# Altium PCB LAY-94611_B.PcbDoc (part 2 of 16) (continued)
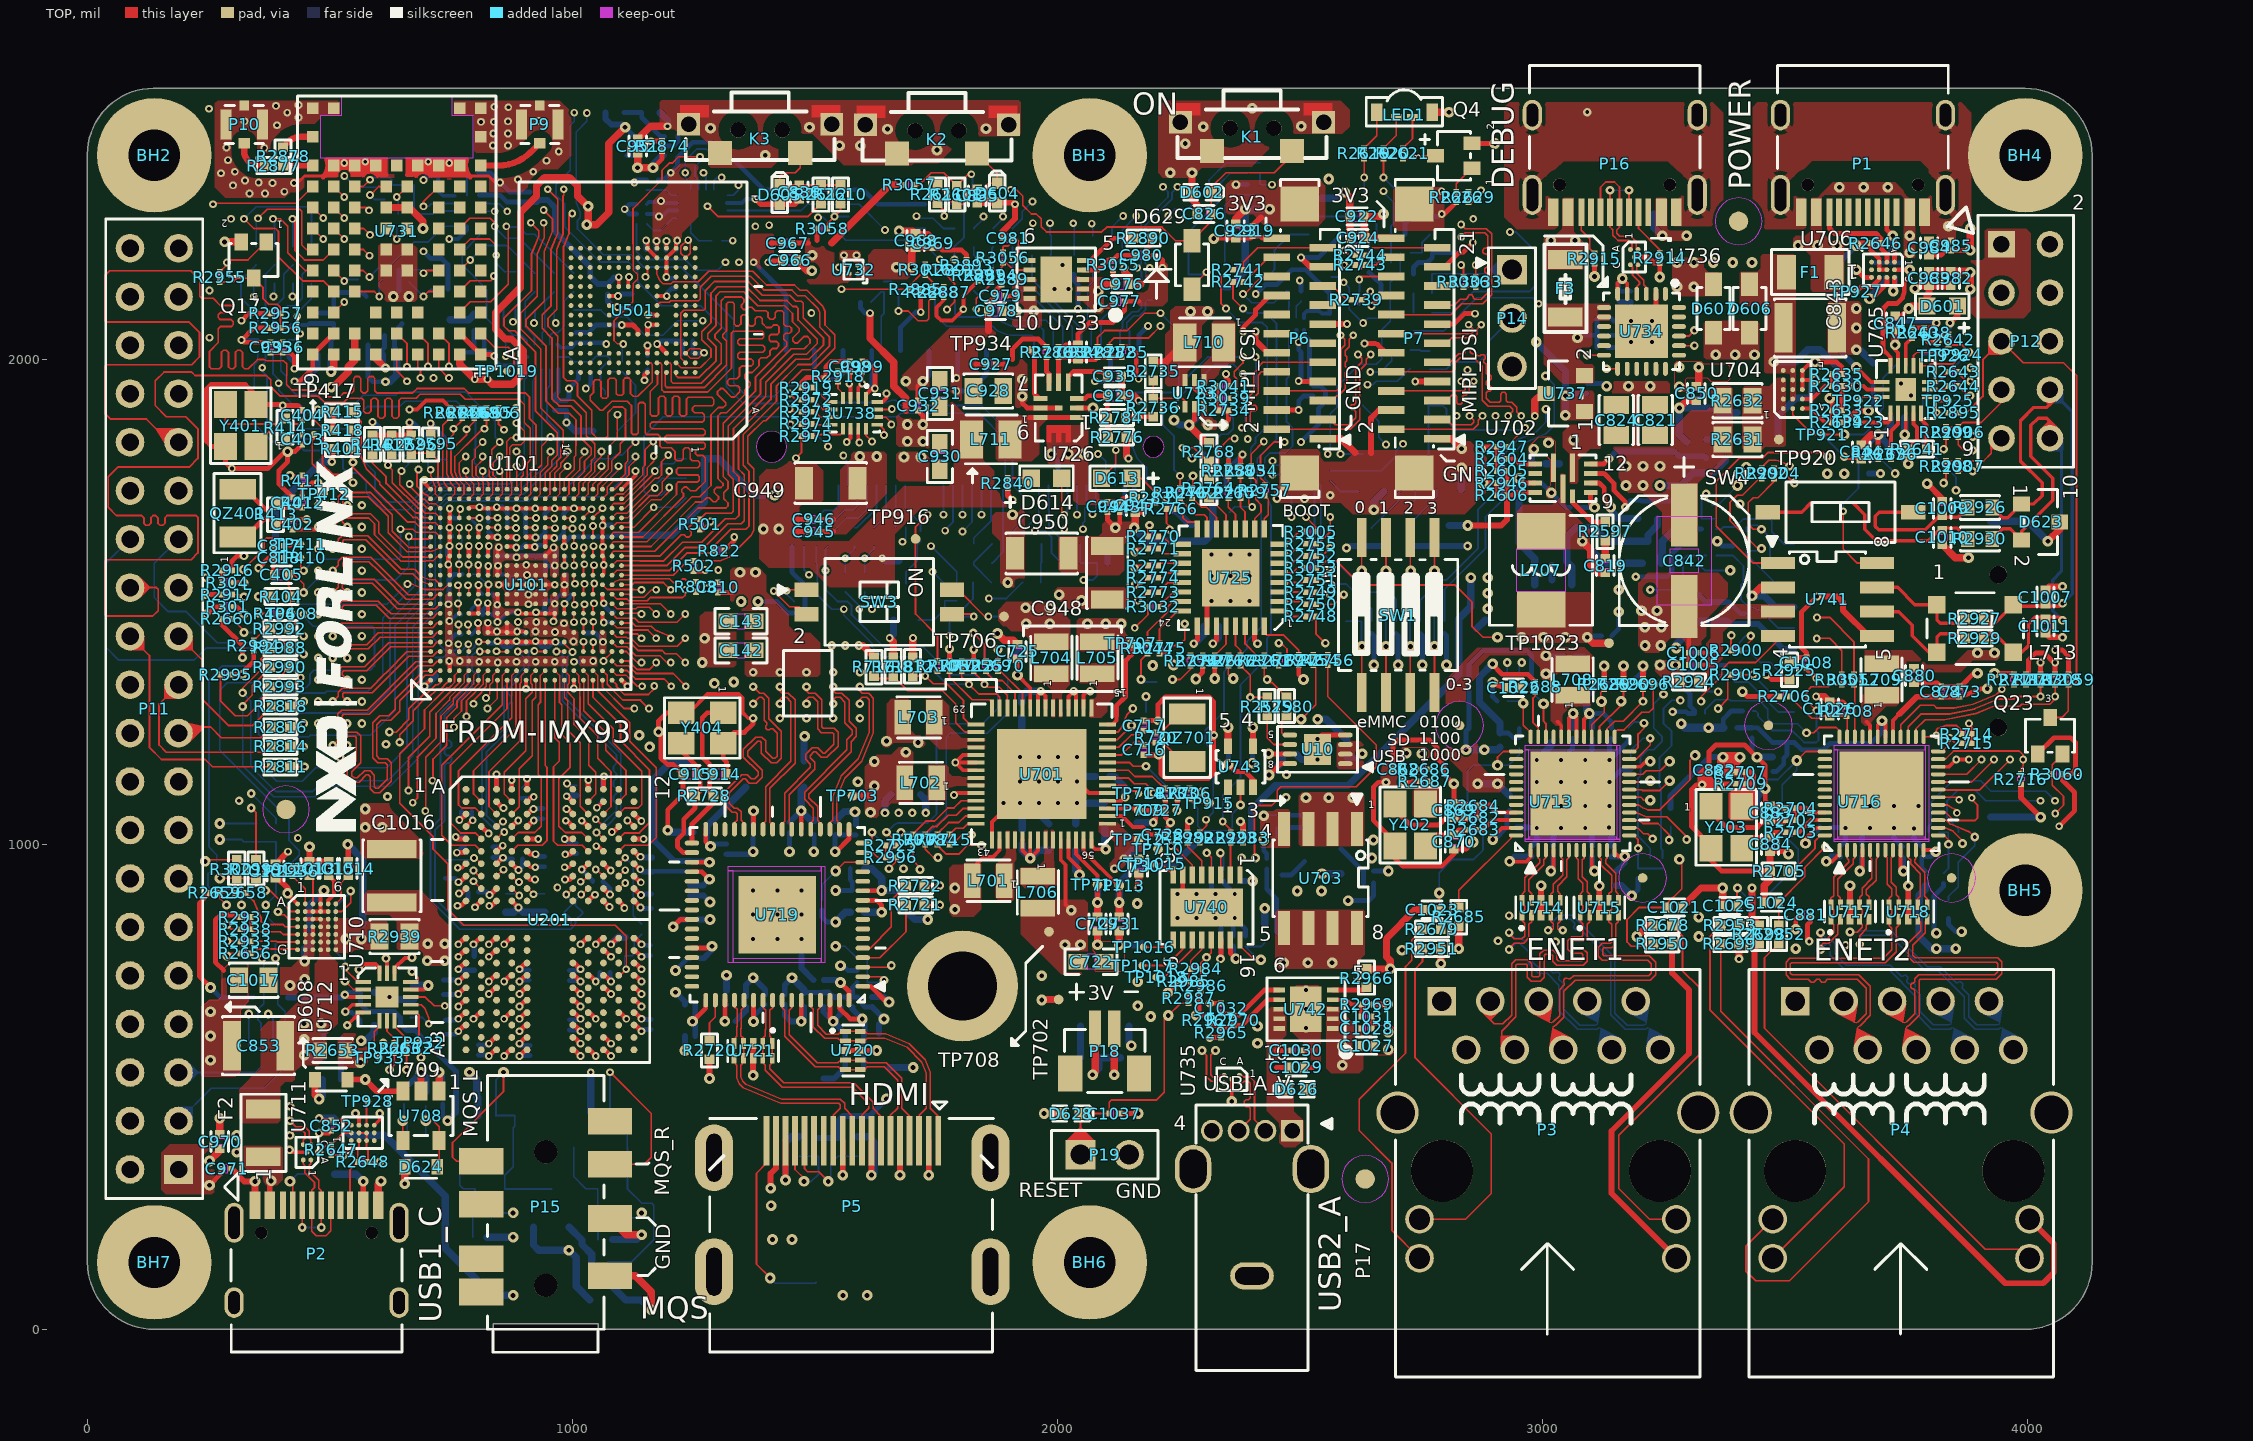
[diagram p0: TOP view]
## Footprints (in the part's own frame and the unit in brackets; to place one, negate y for a bottom-side part, rotate by r counter-clockwise, add the part's x,y. Pads: shape width x height; smd on the part's side, far side on the other; paste and mask are expansions set on the pad) (continued)
  silkscreen extent -244,-294 206,294, body extent -197,-295 197,295, height 39
C0201 [mil] "C0201"
  rect 12x12 smd: 1(-10.51,0) 2(10.51,0)
  TOP keep-out region: -2.64,7.87 -2.64,-7.87 2.64,-7.87 2.64,7.87
  TOP keep-out region: -2.64,7.87 -2.64,-7.87 2.64,-7.87 2.64,7.87
  body extent -12,-6 12,6, height 13
C0402 [mil] "C0402"
  rect 18x20 smd: 1(14.76,0) 2(-14.76,0)
  TOP keep-out region: 5.75,-10 5.75,10 -5.75,10 -5.75,-10
  TOP keep-out region: 5.75,-10 5.75,10 -5.75,10 -5.75,-10
  silkscreen extent -21,-18 21,-18, body extent -20,-10 20,10, height 24
C0603 [mil] "C0603"
  rect 39x32 smd: 1(27,0) 2(-27,0)
  TOP keep-out region: 7,16 7,-16 -7,-16 -7,16
  silkscreen extent -54,-26 54,26, body extent -31,-16 31,16, height 36
C0805 [mil] "C0805"
  rect 37x53 smd: 1(30.71,0) 2(-30.71,0)
  silkscreen extent -50,-36 50,36, body extent -39,-24 39,24, height 28
C1206 [mil] "C1206"
  rect 37x67 smd: 1(-55.12,0) 2(55.12,0)
  silkscreen extent -74,-42 74,42, body extent -63,-30 63,30, height 66
C1210 [mil] "C1210"
  rect 37x102 smd: 1(-55.12,0) 2(55.12,0)
  silkscreen extent -74,-60 74,60, body extent -63,-49 63,49, height 47
CCE6P3X7P7 [mil] "CCE6P3X7P7"
  rect 130x55 smd: 1(-94.49,0) 2(94.49,0)
  TOP keep-out region: -23.62,-29.53 23.62,-29.53 23.62,29.53 -23.62,29.53
  TOP keep-out region: -90.55,57.09 -90.55,-57.09 90.55,-57.09 90.55,57.09
  silkscreen extent -213,-134 134,134, body extent -138,-130 138,130, height 213
CON9_SDCARD_1P1MM [mil] "CON9_SDCARD_1P1MM"
  rect 28x59 smd: 1(-88.58,-283.49) 2(-45.28,-283.49) 3(-1.97,-283.49) 4(41.34,-283.49) 5(84.65,-283.49) 6(127.95,-283.49) 7(171.26,-283.49) 8(214.57,-283.49) 9(257.87,-283.49)
  rect 55x55 smd: 10(314.96,-255.93)
  rect 47x87 smd: 11(305.12,122.03) 12(-305.12,122.03)
  rect 63x55 smd: 13(-269.68,-255.93)
  round 36 hole 36 unplated: ""(-120.08,137.79) ""(194.88,137.79)
  TOP keep-out region: -119,-227.29 -119,50.64 271.65,50.64 271.65,-228.37 -120.08,-228.37
  TOP keep-out region: -166.5,5.64 -166.5,-194.36 -259,-194.36 -259,5.64
  TOP keep-out region: -250,137.1 -250,388.64 -198.5,388.64 -198.5,34.64 -223.92,34.64 -226.38,37.1 -226.38,113.48 -231.38,118.48
  silkscreen extent -292,-276 290,563, body extent -315,-304 319,368, height 77
CON_75_0P5_22X9_RA1 [mil] "CON_75_0P5_22X9_RA1"
  rect 12x80 smd: 1(-364.17,136.21) 2(-354.33,-142.13) 3(-344.49,136.21) 4(-334.65,-142.13) 5(-324.8,136.21) 6(-314.96,-142.13) 7(-305.12,136.21) 8(-295.28,-142.13) 9(-285.43,136.21) 10(-275.59,-142.13) 11(-265.75,136.21) 12(-255.91,-142.13) 13(-246.06,136.21) 14(-236.22,-142.13) 15(-226.38,136.21) 16(-216.54,-142.13) 17(-206.69,136.21) 18(-196.85,-142.13) 19(-187.01,136.21) 20(-177.17,-142.13) 21(-167.32,136.21) 22(-157.48,-142.13) 23(-147.64,136.21) 32(-59.06,-142.13) 33(-49.21,136.21) 34(-39.37,-142.13) 35(-29.53,136.21) 36(-19.69,-142.13) 37(-9.84,136.21) 38(0,-142.13) 39(9.84,136.21) 40(19.69,-142.13) 41(29.53,136.21) 42(39.37,-142.13) 43(49.21,136.21) 44(59.06,-142.13) 45(68.9,136.21) 46(78.74,-142.13) 47(88.58,136.21) 48(98.43,-142.13) 49(108.27,136.21) 50(118.11,-142.13) 51(127.95,136.21) 52(137.8,-142.13) 53(147.64,136.21) 54(157.48,-142.13) 55(167.32,136.21) 56(177.17,-142.13) 57(187.01,136.21) 58(196.85,-142.13) 59(206.69,136.21) 60(216.54,-142.13) 61(226.38,136.21) 62(236.22,-142.13) 63(246.06,136.21) 64(255.91,-142.13) 65(265.75,136.21) 66(275.59,-142.13) 67(285.43,136.21) 68(295.28,-142.13) 69(305.12,136.21) 70(314.96,-142.13) 71(324.8,136.21) 72(334.65,-142.13) 73(344.49,136.21) 74(354.33,-142.13) 75(364.17,136.21)
  rect 47x108 smd: ""(-407.48,115.15) ""(407.48,115.15)
  round 10 hole 43 unplated: ""(-393.7,-62.01)
  round 10 hole 63 unplated: ""(393.7,-62.01)
  BOTTOM keep-out region: -415.62,-62.01 -413.95,-53.63 -409.2,-46.51 -402.09,-41.76 -393.7,-40.09 -385.31,-41.76 -382.93,-43.36 -382.93,-43.36 -378.2,-46.51 -373.45,-53.63 -371.78,-62.01 -373.45,-70.4 -378.2,-77.52 -382.93,-80.67 -382.93,-80.67 -385.31,-82.27 -393.7,-83.94 -402.09,-82.27 -409.2,-77.52 -413.95,-70.4 -415.62,-62.01
  BOTTOM keep-out region: 361.93,-62.01 363.01,-53.79 366.18,-46.13 371.23,-39.55 377.81,-34.5 385.48,-31.32 393.7,-30.24 401.92,-31.32 409.59,-34.5 409.59,-34.5 416.17,-39.55 421.22,-46.13 424.39,-53.79 425.47,-62.01 424.39,-70.24 421.22,-77.9 416.17,-84.48 409.59,-89.53 409.59,-89.53 401.92,-92.7 393.7,-93.79 385.48,-92.7 377.81,-89.53 371.23,-84.48 366.18,-77.9 363.01,-70.24 361.93,-62.01
  Multi-Layer pour cut-out: 346.79,-62.01 348.39,-49.87 353.07,-38.56 360.53,-28.84 370.24,-21.39 381.56,-16.7 393.7,-15.1 405.84,-16.7 417.16,-21.39 417.16,-21.39 426.87,-28.84 434.33,-38.56 439.01,-49.87 440.61,-62.01 439.01,-74.16 434.33,-85.47 426.87,-95.19 417.16,-102.64 417.16,-102.64 405.84,-107.33 393.7,-108.93 381.56,-107.33 370.24,-102.64 360.53,-95.19 353.07,-85.47 348.39,-74.16 346.79,-62.01
  Multi-Layer pour cut-out: -430.52,-62.01 -429.26,-52.49 -425.58,-43.61 -419.73,-35.98 -412.11,-30.13 -403.23,-26.46 -393.7,-25.2 -384.17,-26.46 -375.29,-30.13 -375.29,-30.13 -367.67,-35.98 -361.82,-43.61 -358.14,-52.49 -356.89,-62.01 -358.14,-71.54 -361.82,-80.42 -367.67,-88.05 -375.29,-93.9 -375.29,-93.9 -384.17,-97.57 -393.7,-98.83 -403.23,-97.57 -412.11,-93.9 -419.73,-88.05 -425.58,-80.42 -429.26,-71.54 -430.52,-62.01
  silkscreen extent -440,-188 440,189, body extent -431,-174 431,168, height 160
DFN2111_7 [mil] "DFN2111_7"
  rect 20x10 smd: 1(-6.85,29.53) 2(-6.85,9.84) 3(-6.85,-9.84) 4(-6.85,-29.53) 5(20.71,-19.68) 6(20.71,0) 7(20.71,19.69)
  silkscreen extent -31,-43 31,43, body extent -15,-41 29,42, height 20
F0603 [mil] "F0603"
  rect 30x32 smd: 1(-30,-1) 2(30,-1)
  TOP keep-out region: 30,14.75 30,-16.75 -30,-16.75 -30,14.75
  TOP keep-out region: -10,19 10,19 10,-21 -10,-21
  silkscreen extent -55,-26 55,24, body extent -31,-16 31,16, height 15
F1206 [mil] "F1206"
  rect 39x71 smd: 1(-59.07,0) 2(59.05,0)
  silkscreen extent -91,-43 91,43, body extent -59,-31 59,31, height 25
FB0402 [mil] "FB0402"
  rect 18x20 smd: 1(14.76,0) 2(-14.76,0)
  TOP keep-out region: 5.75,10 5.75,-10 -5.75,-10 -5.75,10
  TOP keep-out region: 5.75,10 5.75,-10 -5.75,-10 -5.75,10
  silkscreen extent -21,-18 21,18, body extent -20,-10 20,10, height 16
FB0603 [mil] "FB0603"
  rect 39x32 smd: 1(-27,0) 2(27,0)
  TOP keep-out region: -7,-16 -7,16 7,16 7,-16
  silkscreen extent -54,-26 54,26, body extent -31,-16 31,16, height 15
FBGA153_0P5_11P5X13 [mil] "FBGA153_0P5_11P5X13"
  round 10 smd: A1(-127.95,127.95) A2(-108.27,127.95) A3(-88.58,127.95) A4(-68.9,127.95) A5(-49.21,127.95) A6(-29.53,127.95) A7(-9.84,127.95) A8(9.84,127.95) A9(29.53,127.95) A10(49.21,127.95) A11(68.9,127.95) A12(88.58,127.95) A13(108.27,127.95) A14(127.95,127.95) B1(-127.95,108.27) B2(-108.27,108.27) B3(-88.58,108.27) B4(-68.9,108.27) B5(-49.21,108.27) B6(-29.53,108.27) B7(-9.84,108.27) B8(9.84,108.27) B9(29.53,108.27) B10(49.21,108.27) B11(68.9,108.27) B12(88.58,108.27) B13(108.27,108.27) B14(127.95,108.27) C1(-127.95,88.58) C2(-108.27,88.58) C3(-88.58,88.58) C4(-68.9,88.58) C5(-49.21,88.58) C6(-29.53,88.58) C7(-9.84,88.58) C8(9.84,88.58) C9(29.53,88.58) C10(49.21,88.58) C11(68.9,88.58) C12(88.58,88.58) C13(108.27,88.58) C14(127.95,88.58) D1(-127.95,68.9) D2(-108.27,68.9) D3(-88.58,68.9) D4(-68.9,68.9) D12(88.58,68.9) D13(108.27,68.9) D14(127.95,68.9) E1(-127.95,49.21) E2(-108.27,49.21) E3(-88.58,49.21) E5(-49.21,49.21) E6(-29.53,49.21) E7(-9.84,49.21) E8(9.84,49.21) E9(29.53,49.21) E10(49.21,49.21) E12(88.58,49.21) E13(108.27,49.21) E14(127.95,49.21) F1(-127.95,29.53) F2(-108.27,29.53) F3(-88.58,29.53) F5(-49.21,29.53) F10(49.21,29.53) F12(88.58,29.53) F13(108.27,29.53) F14(127.95,29.53) G1(-127.95,9.84) G2(-108.27,9.84) G3(-88.58,9.84) G5(-49.21,9.84) G10(49.21,9.84) G12(88.58,9.84) G13(108.27,9.84) G14(127.95,9.84) H1(-127.95,-9.84) H2(-108.27,-9.84) H3(-88.58,-9.84) H5(-49.21,-9.84) H10(49.21,-9.84) H12(88.58,-9.84) H13(108.27,-9.84) H14(127.95,-9.84) J1(-127.95,-29.53) J2(-108.27,-29.53) J3(-88.58,-29.53) J5(-49.21,-29.53) J10(49.21,-29.53) J12(88.58,-29.53) J13(108.27,-29.53) J14(127.95,-29.53) K1(-127.95,-49.21) K2(-108.27,-49.21) K3(-88.58,-49.21) K5(-49.21,-49.21) K6(-29.53,-49.21) K7(-9.84,-49.21) K8(9.84,-49.21) K9(29.53,-49.21) K10(49.21,-49.21) K12(88.58,-49.21) K13(108.27,-49.21) K14(127.95,-49.21) L1(-127.95,-68.9) L2(-108.27,-68.9) L3(-88.58,-68.9) L12(88.58,-68.9) L13(108.27,-68.9) L14(127.95,-68.9) M1(-127.95,-88.58) M2(-108.27,-88.58) M3(-88.58,-88.58) M4(-68.9,-88.58) M5(-49.21,-88.58) M6(-29.53,-88.58) M7(-9.84,-88.58) M8(9.84,-88.58) M9(29.53,-88.58) M10(49.21,-88.58) M11(68.9,-88.58) M12(88.58,-88.58) M13(108.27,-88.58) M14(127.95,-88.58) N1(-127.95,-108.27) N2(-108.27,-108.27) N3(-88.58,-108.27) N4(-68.9,-108.27) N5(-49.21,-108.27) N6(-29.53,-108.27) N7(-9.84,-108.27) N8(9.84,-108.27) N9(29.53,-108.27) N10(49.21,-108.27) N11(68.9,-108.27) N12(88.58,-108.27) N13(108.27,-108.27) N14(127.95,-108.27) P1(-127.95,-127.95) P2(-108.27,-127.95) P3(-88.58,-127.95) P4(-68.9,-127.95) P5(-49.21,-127.95) P6(-29.53,-127.95) P7(-9.84,-127.95) P8(9.84,-127.95) P9(29.53,-127.95) P10(49.21,-127.95) P11(68.9,-127.95) P12(88.58,-127.95) P13(108.27,-127.95) P14(127.95,-127.95)
  silkscreen extent -266,-265 235,295, body extent -226,-256 226,256, height 36
FPC_22P_0_5 [mil] "FPC_22P_0_5"
  rect 16x55 smd: 1(-208.17,-47.24) 2(-188.49,47.24) 3(-168.8,-47.24) 4(-149.12,47.24) 5(-129.43,-47.24) 6(-109.75,47.24) 7(-90.06,-47.24) 8(-70.38,47.24) 9(-50.69,-47.24) 10(-31.01,47.24) 11(-11.32,-47.24) 12(8.36,47.24) 13(28.05,-47.24) 14(47.73,47.24) 15(67.42,-47.24) 16(87.1,47.24) 17(106.79,-47.24) 18(126.47,47.24) 19(146.16,-47.24) 20(165.84,47.24) 21(185.53,-47.24) 22(205.21,47.24)
  rect 72x80 smd: 23(276.08,0) 24(-279.04,0)
  silkscreen extent -329,-103 326,39, body extent -327,-59 327,59, height 172
FUSE_3P4X1P8 [mil] "FUSE_3P4X1P8"
  rect 39x71 smd: 1(-49.21,0) 2(49.21,0)
  silkscreen extent -80,-46 80,46, body extent -63,-31 63,31, height 51
HDMIA19_HDMI_01A [mil] "HDMIA19_HDMI_01A"
  rect 12x102 smd: 1(-177.06,-218.56) 2(-157.38,-218.56) 3(-137.69,-218.6) 4(-118.01,-218.56) 5(-98.32,-218.56) 6(-78.64,-218.56) 7(-58.95,-218.56) 8(-39.27,-218.56) 9(-19.58,-218.56) 10(0.1,-218.56) 11(19.79,-218.56) 12(39.47,-218.6) 13(59.16,-218.56) 14(78.84,-218.56) 15(98.53,-218.56) 16(118.21,-218.56) 17(137.9,-218.56) 18(157.58,-218.56) 19(177.27,-218.56)
  oval 78.74x137.8 hole 31.5 slot 98.43 at 90 deg: 20(285.1,-183.56) 21(-284.9,-183.56) 22(285.1,51.44) 23(-284.9,51.44)
  silkscreen extent -291,-299 294,217, body extent -296,-246 295,232, height 244
HDR220_TSM_A_SM [mil] "HDR220_TSM_A_SM"
  rect 59x59 / inner round 59 / far side rect 59x59 hole 36: 1(-950,-50)
  round 59 hole 36: 2(-950,50) 3(-850,-50) 4(-850,50) 5(-750,-50) 6(-750,50) 7(-650,-50) 8(-650,50) 9(-550,-50) 10(-550,50) 11(-450,-50) 12(-450,50) 13(-350,-50) 14(-350,50) 15(-250,-50) 16(-250,50) 17(-150,-50) 18(-150,50) 19(-50,-50) 20(-50,50) 21(50,-50) 22(50,50) 23(150,-50) 24(150,50) 25(250,-50) 26(250,50) 27(350,-50) 28(350,50) 29(450,-50) 30(450,50) 31(550,-50) 32(550,50) 33(650,-50) 34(650,50) 35(750,-50) 36(750,50) 37(850,-50) 38(850,50) 39(950,-50) 40(950,50)
  silkscreen extent -1014,-173 1010,100, body extent -1000,-100 1000,100, height 330
HEADER5X2_25 [mil] "HEADER5X2_25"
  rect 55x55 / inner round 55 / far side rect 55x55 hole 34: 1(-200,-50.01)
  round 55 hole 34: 2(-200,49.99) 3(-100,-50.01) 4(-100,49.99) 5(0,-50.01) 6(0,49.99) 7(100,-50.01) 8(100,49.99) 9(200,-50.01) 10(200,49.99)
  silkscreen extent -276,-162 260,98, body extent -250,-100 250,100, height 330
HEADER_2_54_3P [mil] "HEADER_2_54_3P"
  rect 61.02x61.02 hole 41.34: 1(-100,0)
  round 61.02 hole 41.34: 2(0,0) 3(100,0)
  silkscreen extent -145,-73 145,49, body extent -150,-50 150,50, height 330
HEADER_2X1_254 [mil] "HEADER_2X1_254"
  rect 61.02x61.02 hole 41.34: 1(-50,0)
  round 61.02 hole 41.34: 2(50,0)
  silkscreen extent -110,-50 110,50, body extent -100,-50 100,50, height 330
HOLE2_7_6 [mil] "HOLE2_7_6"
  round 236 / inner round 150 / far side round 236 hole 106: 1(0,0)
HVQFN56_0P4_7X7_EP4P7MM [mil] "HVQFN56_0P4_7X7_EP4P7MM"
  rect 35x8 smd: 1(-135.83,102.36) 2(-135.83,86.61) 3(-135.83,70.87) 4(-135.83,55.12) 5(-135.83,39.37) 6(-135.83,23.62) 7(-135.83,7.87) 8(-135.83,-7.87) 9(-135.83,-23.62) 10(-135.83,-39.37) 11(-135.83,-55.12) 12(-135.83,-70.87) 13(-135.83,-86.61) 14(-135.83,-102.36) 29(135.83,-102.36) 30(135.83,-86.61) 31(135.83,-70.87) 32(135.83,-55.12) 33(135.83,-39.37) 34(135.83,-23.62) 35(135.83,-7.87) 36(135.83,7.87) 37(135.83,23.62) 38(135.83,39.37) 39(135.83,55.12) 40(135.83,70.87) 41(135.83,86.61) 42(135.83,102.36)
  rect 8x35 smd: 15(-102.36,-135.83) 16(-86.61,-135.83) 17(-70.87,-135.83) 18(-55.12,-135.83) 19(-39.37,-135.83) 20(-23.62,-135.83) 21(-7.87,-135.83) 22(7.87,-135.83) 23(23.62,-135.83) 24(39.37,-135.83) 25(55.12,-135.83) 26(70.87,-135.83) 27(86.61,-135.83) 28(102.36,-135.83) 43(102.36,135.83) 44(86.61,135.83) 45(70.87,135.83) 46(55.12,135.83) 47(39.37,135.83) 48(23.62,135.83) 49(7.87,135.83) 50(-7.87,135.83) 51(-23.62,135.83) 52(-39.37,135.83) 53(-55.12,135.83) 54(-70.87,135.83) 55(-86.61,135.83) 56(-102.36,135.83)
  rect 185x185 smd paste-99999: 57(0,0)
  silkscreen extent -145,-145 145,145, body extent -138,-138 138,138, height 33
HX2QFN16_0P4_2P7X2P7 [mil] "HX2QFN16_0P4_2P7X2P7"
  rect 32x8 smd: 1(-49.21,31.5) 2(-49.21,15.75) 3(-49.21,0) 4(-49.21,-15.75) 5(-49.21,-31.5) 9(49.21,-31.5) 10(49.21,-15.75) 11(49.21,0) 12(49.21,15.75) 13(49.21,31.5)
  rect 8x32 smd: 6(-15.75,-49.21) 7(0,-49.21) 8(15.75,-49.21) 14(15.75,49.21) 15(0,49.21) 16(-15.75,49.21)
  rect 47x43 smd paste-99999: 17(0,0)
  silkscreen extent -60,-60 60,60, body extent -53,-53 53,53, height 16
IND_0518 [mil] "IND_0518"
  rect 75x100 smd: 1(-80.71,0) 2(80.71,0)
  TOP keep-out region: -43.31,-51.18 43.31,-51.18 43.31,51.18 -43.31,51.18
  TOP keep-out region: -43.31,51.18 -43.31,-51.18 43.31,-51.18 43.31,51.18
  silkscreen extent -113,-106 113,106, body extent -114,-102 114,102, height 71
IND_2016A [mil] "IND_2016A"
  rect 34x71 smd: 1(-32.87,-0.08) 2(32.87,-0.08)
  silkscreen extent -45,-42 45,43, body extent -39,-24 39,24, height 37
IND_DLW43 [mil] "IND_DLW43"
  rect 36x36 smd: 1(-78.74,49.21) 2(78.74,49.21) 3(78.74,-49.21) 4(-78.74,-49.21)
  silkscreen extent -100,-74 100,74, body extent -89,-63 89,63, height 103
IND_SPH2520 [mil] "IND_SPH2520"
  rect 48x79 smd: 1(-39.75,0) 2(39.75,0)
  silkscreen extent -55,-50 52,50, body extent -49,-39 49,39, height 87
IPEX_4 [mil] "IPEX_4"
  rect 22x24 smd: 1(-38.39,0)
  rect 62x23 smd: 2(0,37.8) 3(0,-37.8)
  rect 20x20 smd: 4(39.37,0)
  silkscreen extent -39,-39 39,39, body extent -41,-40 41,40, height 24
KEY_3_5X7 [mil] "KEY_3_5X7"
  rect 47x47 / inner round 47 / far side rect 47x47 hole 32: 1(-147.64,-7.98) 2(147.64,-7.98)
  rect 50x50 smd: 3(-82.68,51.07) 4(82.68,51.07)
  round 32 hole 32 unplated: ""(-45.28,3.83) ""(45.28,3.83)
  TOP region: -165.35,-47.35 -165.35,11.7 -138.39,11.7 -138.39,-22.15 -106.3,-22.15 -106.3,-47.35
  TOP region: 165.35,-47.35 165.35,11.7 138.39,11.7 138.39,-22.15 106.3,-22.15 106.3,-47.35
  silkscreen extent -154,-74 154,66, body extent -154,-75 154,63, height 138
LED0603 [mil] "LED0603"
  rect 35.43x35.43 smd: A(-31.5,0) C(31.5,0)
  silkscreen extent -55,-26 55,56, body extent -33,-18 33,18, height 35
MAYA-W2 [mil] "MAYA-W2"
  rect 24x24 smd: A1(-251.96,-173.23) A2(-251.96,-129.92) A3(-251.96,-86.61) A4(-251.96,-43.31) A5(-251.96,0) A6(-251.96,43.31) A7(-251.96,86.61) A8(-251.96,129.92) A9(-251.96,173.23) B1(-208.66,-173.23) B2(-208.66,-129.92) B3(-208.66,-86.61) B4(-208.66,-43.31) B5(-208.66,0) B6(-208.66,43.31) B7(-208.66,86.61) B8(-208.66,129.92) B9(-208.66,173.23) C1(-165.35,-173.23) C2(-165.35,-129.92) C4(-165.35,-43.31) C5(-165.35,0) C6(-165.35,43.31) C8(-165.35,129.92) C9(-165.35,173.23) D1(-122.04,-173.23) D2(-122.04,-129.92) D3(-122.04,-86.61) D7(-122.04,86.61) D8(-122.04,129.92) D9(-122.04,173.23) E1(-78.73,-173.23) E2(-78.73,-129.92) E3(-78.73,-86.61) E4(-78.73,-21.65) E5(-78.73,21.65) E7(-78.73,86.61) E8(-78.73,129.92) E9(-78.73,173.23) F1(-35.43,-173.23) F2(-35.43,-129.92) F3(-35.43,-86.61) F4(-35.43,-21.65) F5(-35.43,21.65) F7(-35.43,86.61) F8(-35.43,129.92) F9(-35.43,173.23) G1(7.88,-173.23) G2(7.88,-129.92) G3(7.88,-86.61) G4(7.88,-21.65) G5(7.88,21.65) G7(7.88,86.61) G8(7.88,129.92) G9(7.88,173.23) H1(51.19,-173.23) H2(51.19,-129.92) H3(51.19,-86.61) H4(51.19,-21.65) H5(51.19,21.65) H7(51.19,86.61) H8(51.19,129.92) H9(51.19,173.23) J1(94.49,-173.23) J2(94.49,-129.92) J3(94.49,-86.61) J4(94.49,-21.65) J5(94.49,21.65) J7(94.49,86.61) J8(94.49,129.92) J9(94.49,173.23) K1(137.8,-173.23) K2(137.8,-129.92) K3(137.8,-86.61) K4(137.8,-43.31) K5(137.8,0) K6(137.8,43.31) K7(137.8,86.61) K8(137.8,129.92) K9(137.8,173.23) L1(196.86,-173.23) L9(196.86,173.23) M1(255.91,-173.23) M2(255.91,-129.92) M8(255.91,129.92) M9(255.91,173.23)
  TOP keep-out region: 153.55,157.48 153.55,-157.48 240.16,-157.48 240.16,-114.17 279.53,-114.17 279.53,114.17 240.16,114.17 240.16,157.48
  silkscreen extent -281,-205 282,205, body extent -281,-205 282,205, height 76
MH244-166T_202H [mil] "MH244-166T_202H"
  round 228 hole 142: 1(0,0)
PJ3930_8P [mil] "PJ3930_8P"
  rect 55x91 smd: 1(-127.95,-132.87) 2(-9.84,-132.87) 3(102.37,-132.87) 4(190.95,-132.87) 5(108.27,132.87) 6(19.69,132.87) 7(-92.52,132.87) 8(-161.41,132.87)
  round 48 hole 48 unplated: ""(-147.63,0) ""(127.96,0)
  silkscreen extent -285,-120 285,120, body extent -285,-165 285,165, height 206
QFN12_0P5_2X3MM_EP [mil] "QFN12_0P5_2X3MM_EP"
  rect 28x10 smd: 1(-37.4,19.83) 2(-37.4,0.14) 3(-37.4,-19.55) 7(37.4,-19.55) 8(37.4,0.14) 9(37.4,19.83)
  rect 10x36 smd: 4(-19.69,-53.01) 5(0,-53.01) 6(19.69,-53.01)
  round 1 smd paste+0: 10(0,53.29)
  rect 16x10 smd: 11(0,0.14)
  TOP region: 4.92,71.01 -4.92,71.01 -4.92,51.32 -14.76,51.32 -14.76,71.01 -24.61,71.01 -24.61,35.57 24.61,35.57 24.61,71.01 14.76,71.01 14.76,51.32 4.92,51.32
  silkscreen extent -48,-68 48,68, body extent -39,-59 39,59, height 34
QFN12_0P5_3P1X2P1 [mil] "QFN12_0P5_3P1X2P1"
  rect 10x59 smd: 1(19.69,21.77) 2(-19.69,21.77) 7(0,-21.53)
  rect 28x10 smd: 3(-57.09,29.65) 4(-57.09,9.96) 5(-57.09,-9.72) 6(-57.09,-29.41) 9(57.09,-29.41) 10(57.09,-9.72) 11(57.09,9.96) 12(57.09,29.65)
  rect 10x28 smd: 8(19.69,-37.28)
  silkscreen extent -68,-48 68,48, body extent -59,-39 59,39, height 36
QFN24P_0_5 [mil] "QFN24P_0_5"
  oval 29x10 smd: 1(-77.26,49.21) 2(-77.26,29.53) 3(-77.26,9.84) 4(-77.26,-9.84) 5(-77.26,-29.53) 6(-77.26,-49.21) 13(77.26,-49.21) 14(77.26,-29.53) 15(77.26,-9.84) 16(77.26,9.84) 17(77.26,29.53) 18(77.26,49.21)
  oval 10x29 smd: 7(-49.21,-77.26) 8(-29.53,-77.26) 9(-9.84,-77.26) 10(9.84,-77.26) 11(29.53,-77.26) 12(49.21,-77.26) 19(49.21,77.26) 20(29.53,77.26) 21(9.84,77.26) 22(-9.84,77.26) 23(-29.53,77.26) 24(-49.21,77.26)
  rect 110x110 smd paste-99999: 25(0,0)
  silkscreen extent -104,-79 79,79, body extent -79,-79 79,79, height 39
QFN48P_0_4BSC_6X6_H [mil] "QFN48P_0_4BSC_6X6_H"
  oval 8x30 smd: 1(-86.61,-116.73) 2(-70.87,-116.73) 3(-55.12,-116.73) 4(-39.37,-116.73) 5(-23.62,-116.73) 6(-7.87,-116.73) 7(7.87,-116.73) 8(23.62,-116.73) 9(39.37,-116.73) 10(55.12,-116.73) 11(70.87,-116.73) 12(86.61,-116.73) 25(86.61,116.73) 26(70.87,116.73) 27(55.12,116.73) 28(39.37,116.73) 29(23.62,116.73) 30(7.87,116.73) 31(-7.87,116.73) 32(-23.62,116.73) 33(-39.37,116.73) 34(-55.12,116.73) 35(-70.87,116.73) 36(-86.61,116.73)
  oval 30x8 smd: 13(116.73,-86.61) 14(116.73,-70.87) 15(116.73,-55.12) 16(116.73,-39.37) 17(116.73,-23.62) 18(116.73,-7.87) 19(116.73,7.87) 20(116.73,23.62) 21(116.73,39.37) 22(116.73,55.12) 23(116.73,70.87) 24(116.73,86.61) 37(-116.73,86.61) 38(-116.73,70.87) 39(-116.73,55.12) 40(-116.73,39.37) 41(-116.73,23.62) 42(-116.73,7.87) 43(-116.73,-7.87) 44(-116.73,-23.62) 45(-116.73,-39.37) 46(-116.73,-55.12) 47(-116.73,-70.87) 48(-116.73,-86.61)
  rect 174x174 smd paste-99999: 49(0,0)
  round 19.69 smd: ""(-233.29,140.29) ""(144.29,-174.29)
  TOP keep-out region: -90.55,-94.49 90.55,-94.49 90.55,-90.55 -90.55,-90.55
  TOP keep-out region: -98.43,-94.49 -90.55,-94.49 -90.55,90.55 -98.43,90.55
  TOP keep-out region: -98.43,90.55 90.55,90.55 90.55,98.43 -98.43,98.43
  TOP keep-out region: 90.55,-94.49 98.43,-94.49 98.43,98.43 90.55,98.43
  TOP keep-out region: -98.43,-98.43 98.43,-98.43 98.43,-94.49 -98.43,-94.49
  TOP keep-out region: -183.66,140.29 -185.35,153.14 -190.31,165.11 -198.19,175.39 -208.47,183.28 -220.44,188.24 -233.29,189.93 -246.14,188.24 -258.11,183.28 -258.11,183.28 -268.39,175.39 -276.28,165.11 -281.24,153.14 -282.93,140.29 -281.24,127.44 -276.28,115.47 -268.39,105.19 -258.11,97.31 -258.11,97.31 -246.14,92.35 -233.29,90.66 -220.44,92.35 -208.47,97.31 -198.19,105.19 -190.31,115.47 -185.35,127.44 -183.66,140.29
  TOP keep-out region: 193.92,-174.29 192.23,-161.45 187.27,-149.47 179.39,-139.2 169.11,-131.31 157.14,-126.35 144.29,-124.66 131.45,-126.35 119.47,-131.31 119.47,-131.31 109.2,-139.2 101.31,-149.47 96.35,-161.45 94.66,-174.29 96.35,-187.14 101.31,-199.11 109.2,-209.39 119.47,-217.27 119.47,-217.27 131.45,-222.23 144.29,-223.92 157.14,-222.23 169.11,-217.27 179.39,-209.39 187.27,-199.11 192.23,-187.14 193.92,-174.29
  silkscreen extent -181,-181 179,159, body extent -118,-118 118,118, height 35